# KiCad board zone-controller.kicad_pcb
title: Zone controller; date: 2023-07-15; rev: v2.0; company: Roman Labovsky (roman-labovsky.cz)
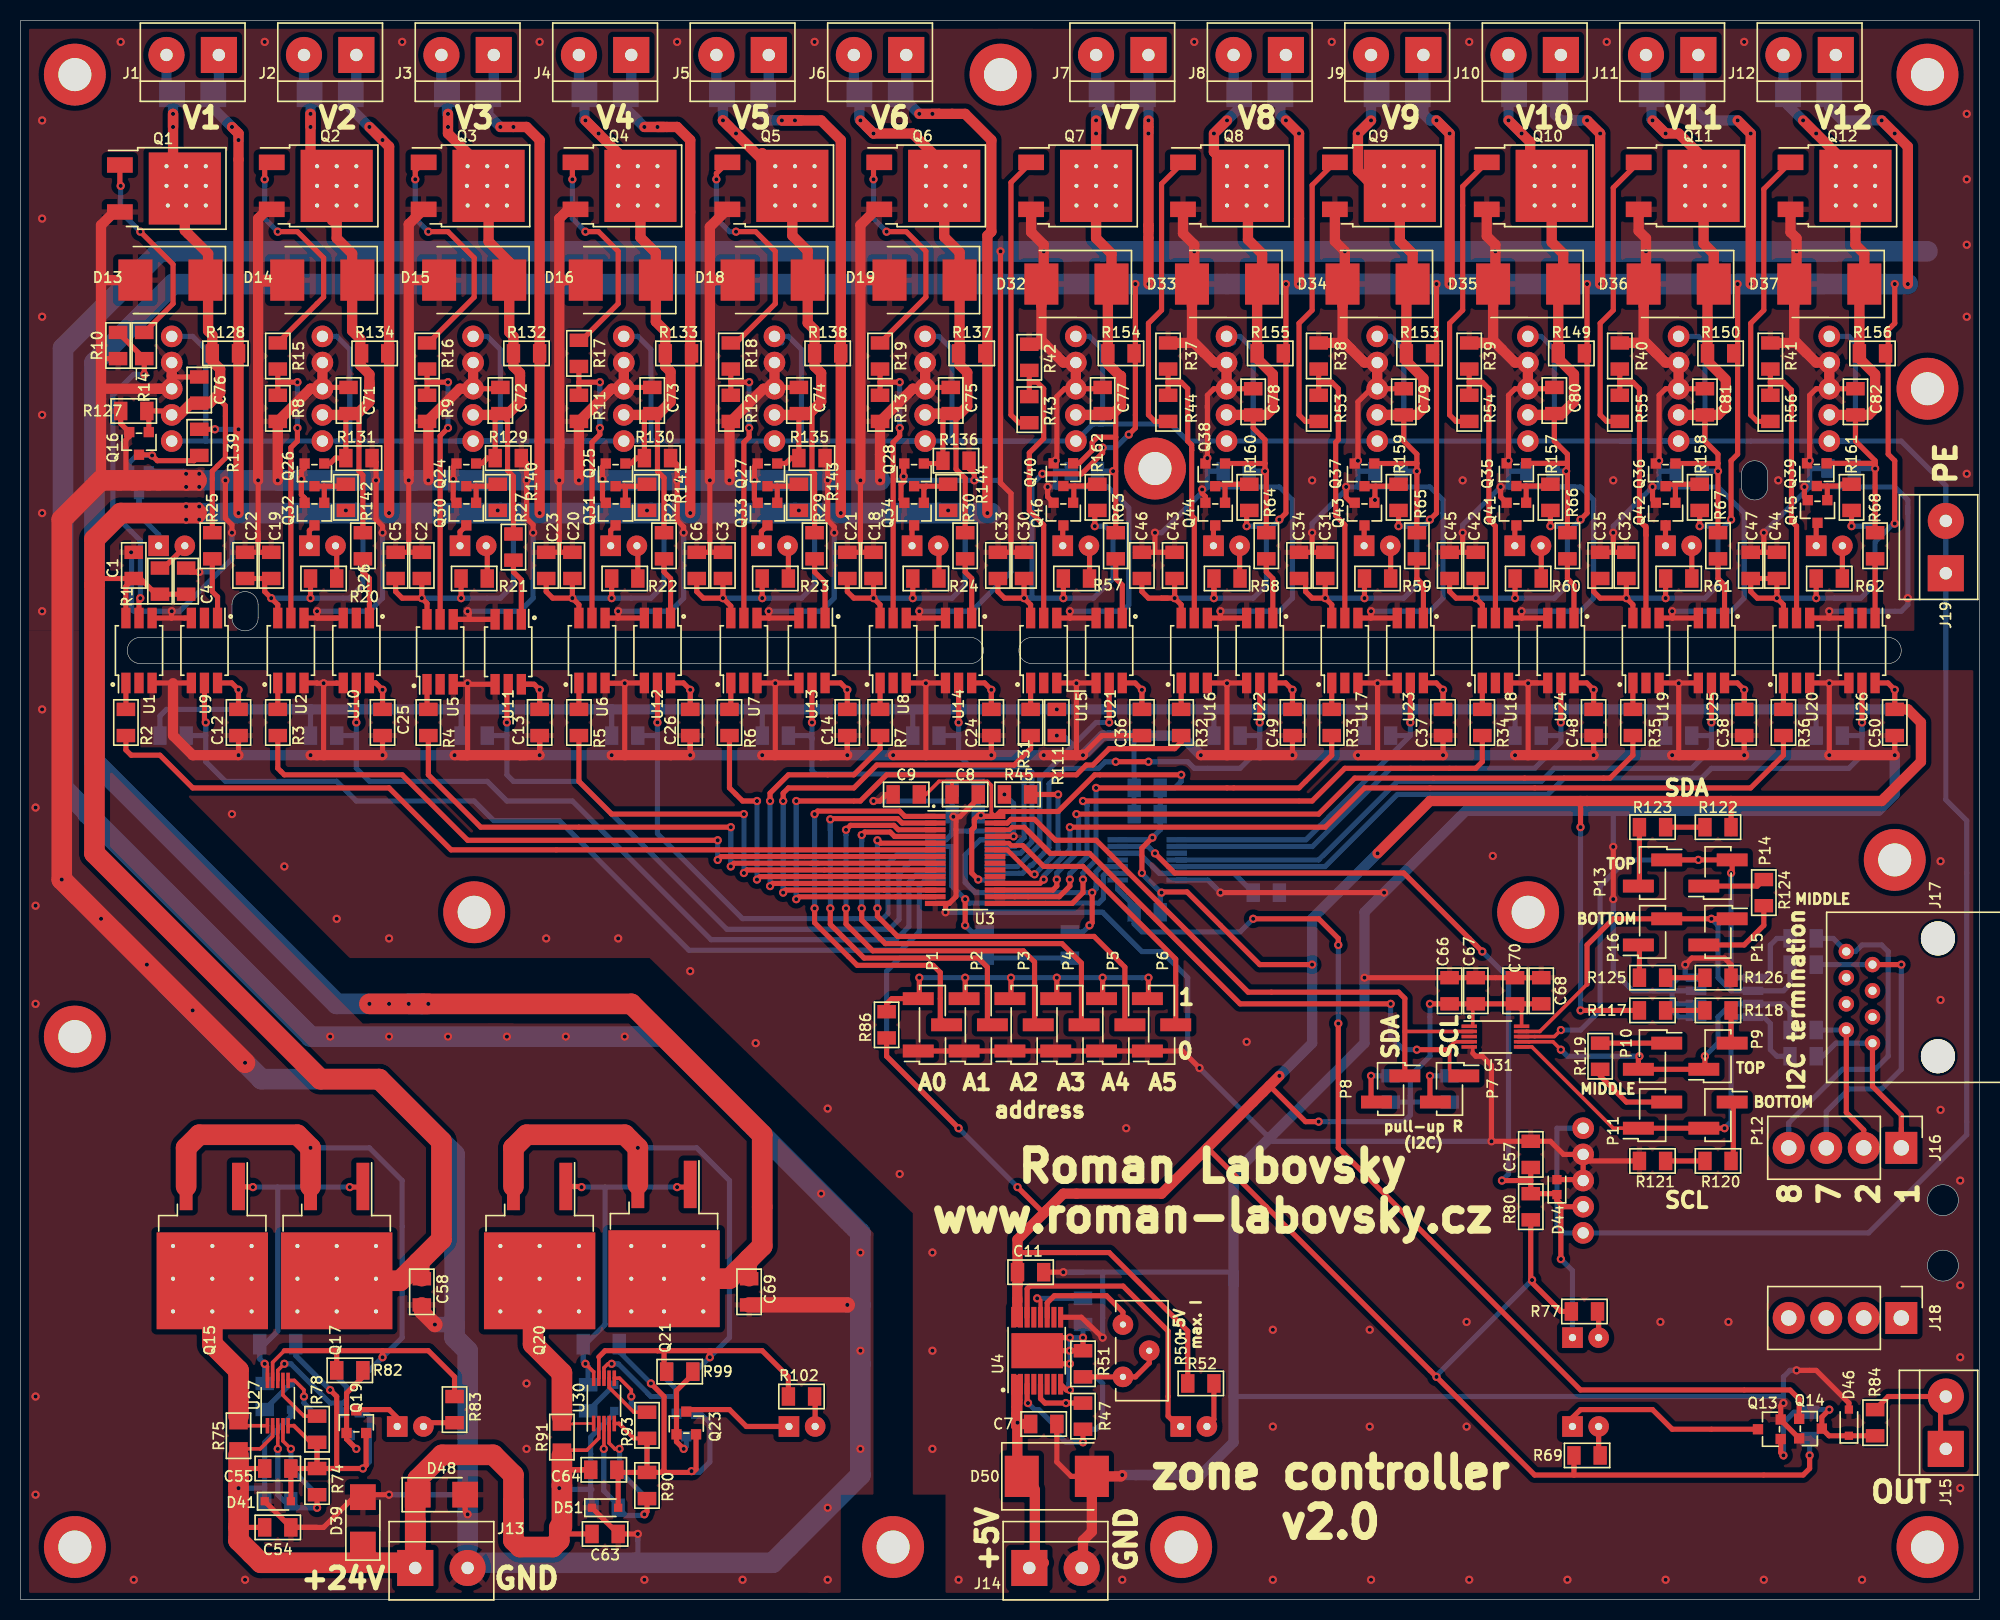
[diagram p0: board, top side]
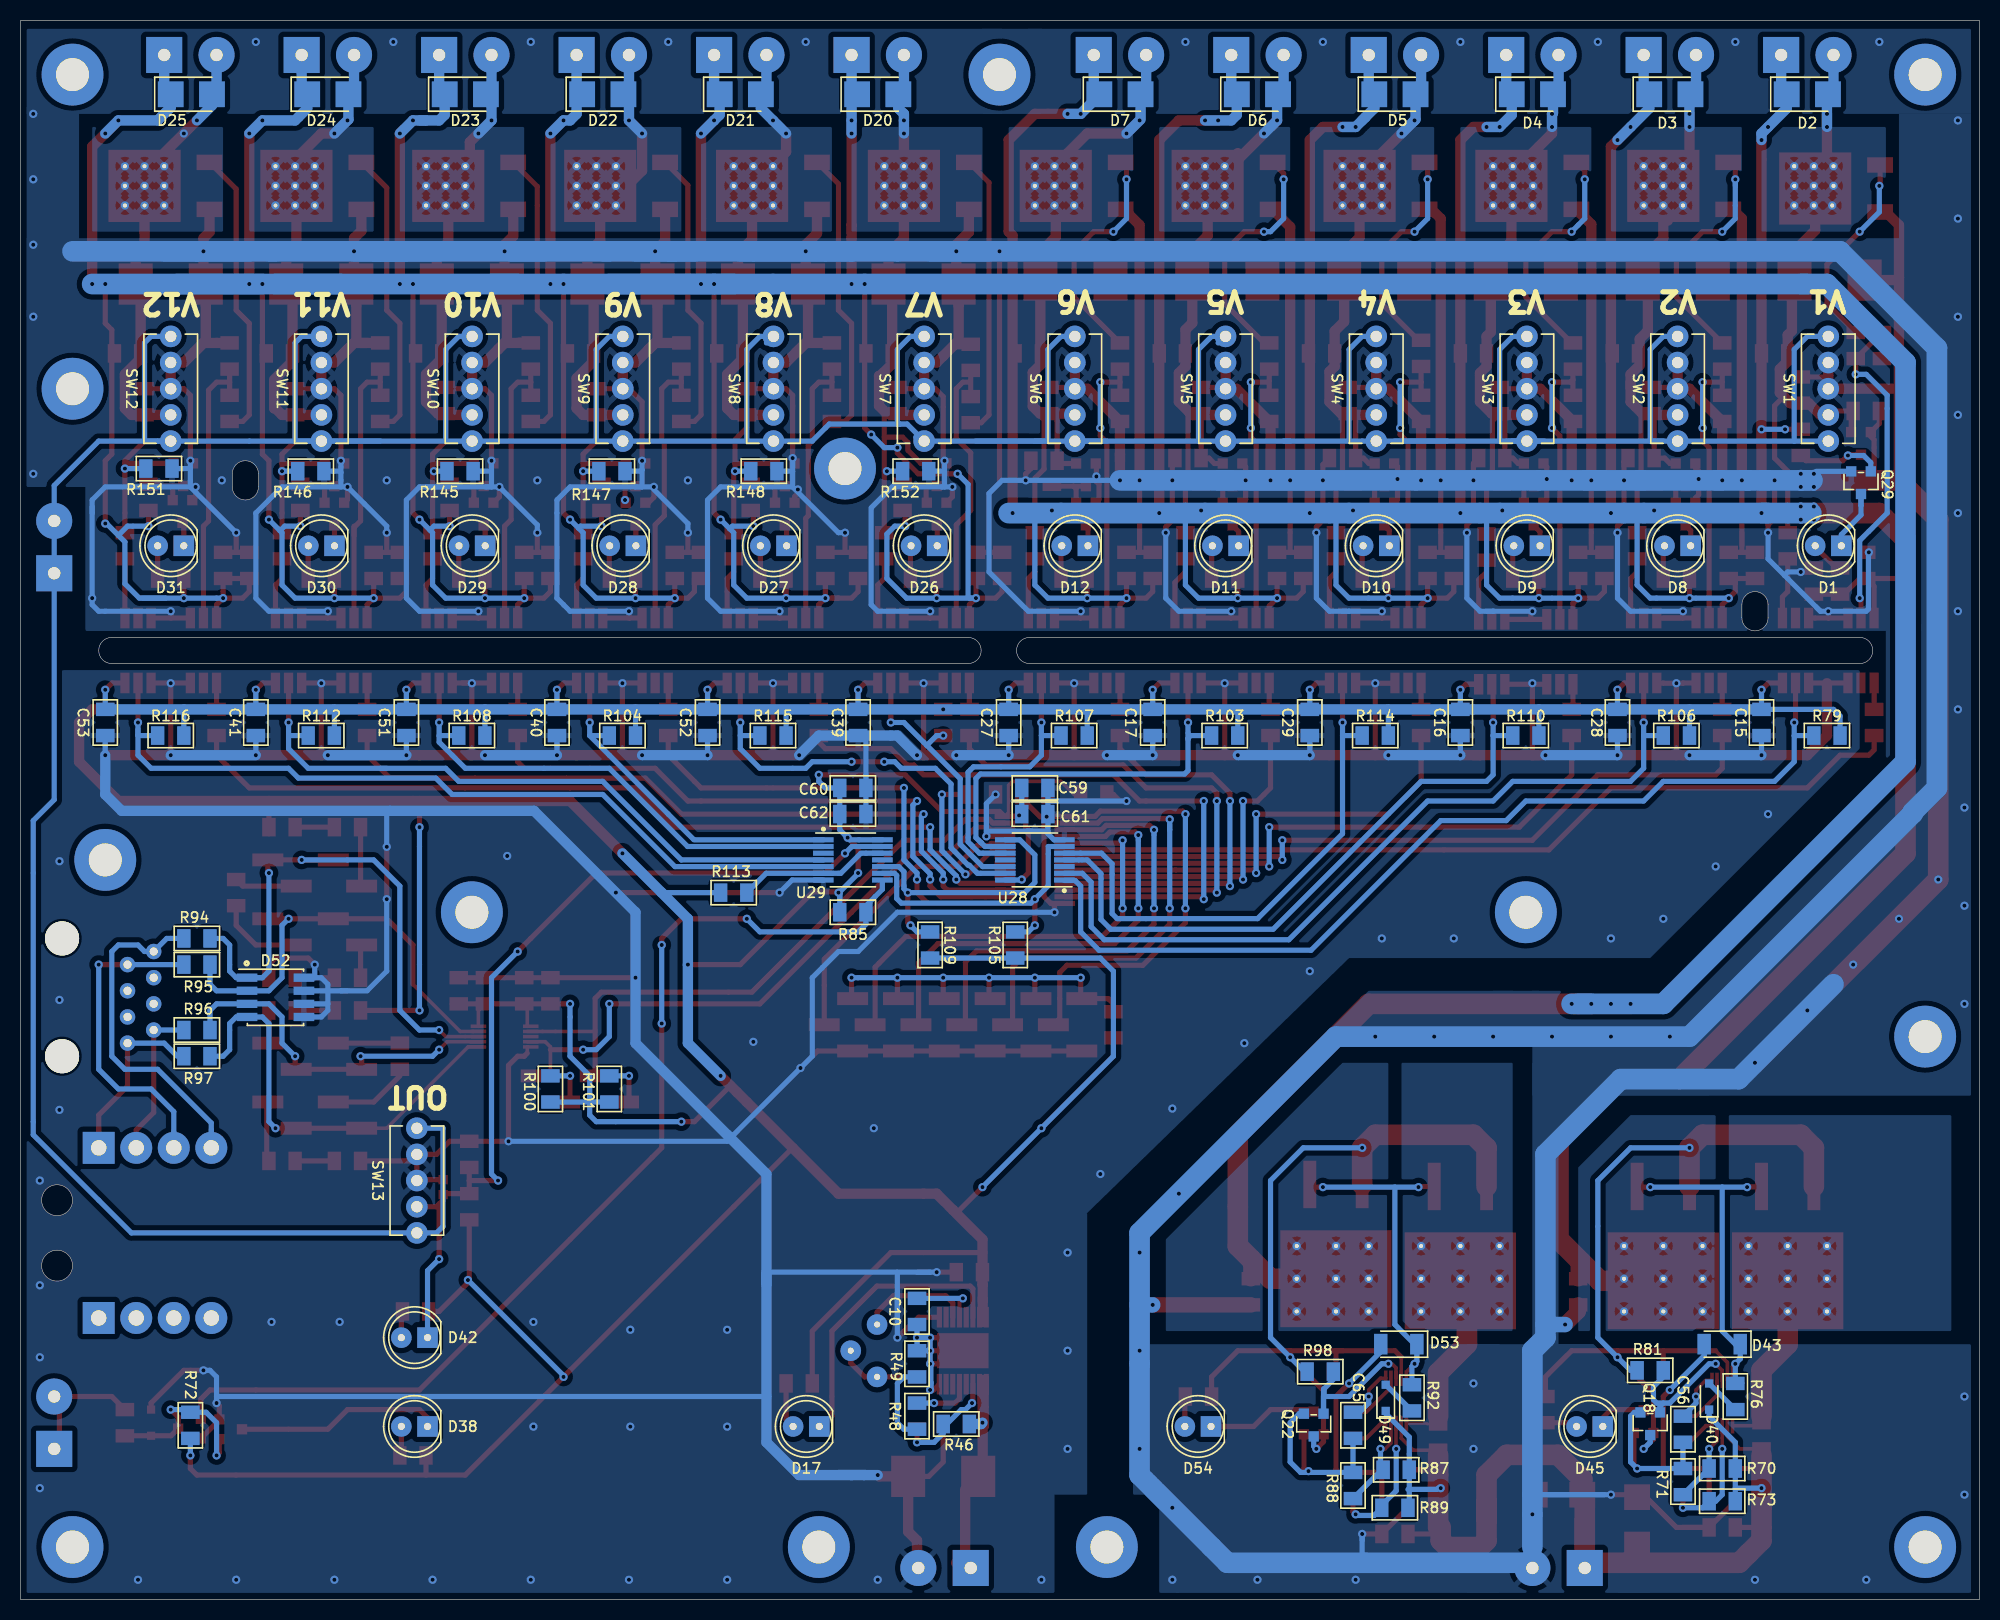
[diagram p1: board, bottom side, seen from below]

Outline 190 x 153.19 mm; copper layers: Top, Bottom. Coordinates in mm from the lower left corner of the outline.
Outline path: circle c186.46,38.73 r1.5 ; circle c186.46,32.38 r1.5 ; 0,153.19 0,0 190,0 190,153.19 0,153.19 ; 11.61,93.34 92.13,93.34 arc(93.4,92.07) 92.13,90.8 11.61,90.8 arc(10.34,92.07) 11.61,93.34 ; 20.5,96.52 20.5,95.25 arc(21.77,93.98) 23.04,95.25 23.04,96.52 arc(21.77,97.79) 20.5,96.52 ; 98.1,90.8 arc(96.83,92.07) 98.1,93.34 181.15,93.34 arc(182.42,92.07) 181.15,90.8 98.1,90.8 ; 166.93,109.22 166.93,107.95 arc(168.2,106.68) 169.47,107.95 169.47,109.22 arc(168.2,110.49) 166.93,109.22
Stack: Top 0.035mm / dielectric 1.51mm FR4 er 4.5 / Bottom 0.035mm

## Placement (name value [footprint] x y rotation side)
C1  100nF  [c_1206]  10.97 100.33 90 top
C2  100nF  [c_1206]  38.92 100.33 90 top
C3  100nF  [c_1206]  68.12 100.33 90 top
C4  1uF  [c_1206]  16.05 98.81 90 top
C5  1uF  [c_1206]  36.37 100.33 90 top
C6  1uF  [c_1206]  65.58 100.33 90 top
C7  1uF  [c_1206]  99.24 17.02 0 top
C8  10uF  [c_1206]  91.62 78.1 0 top
C9  100nF  [c_1206]  85.9 78.1 180 top
C10  1.2nF  [c_1206]  103.05 27.94 270 bottom
C11  1uF  [c_1206]  97.97 31.75 0 top
C12  100nF  [c_1206]  21.14 85.09 270 top
C13  100nF  [c_1206]  50.34 85.09 270 top
C14  100nF  [c_1206]  80.19 85.09 270 top
C15  1uF  [c_1206]  21.14 85.09 270 bottom
C16  1uF  [c_1206]  50.34 85.09 270 bottom
C17  1uF  [c_1206]  80.19 85.09 270 bottom
C18  100nF  [c_1206]  82.73 100.33 90 top
C19  100nF  [c_1206]  24.31 100.33 90 top
C20  100nF  [c_1206]  53.52 100.33 90 top
C21  1uF  [c_1206]  80.19 100.33 90 top
C22  1uF  [c_1206]  21.77 100.33 90 top
C23  1uF  [c_1206]  50.98 100.33 90 top
C24  100nF  [c_1206]  94.16 85.09 270 top
C25  100nF  [c_1206]  35.11 85.09 270 top
C26  100nF  [c_1206]  64.95 85.09 270 top
C27  1uF  [c_1206]  94.16 85.09 270 bottom
C28  1uF  [c_1206]  35.11 85.09 270 bottom
C29  1uF  [c_1206]  64.95 85.09 270 bottom
C30  100nF  [c_1206]  97.33 100.33 90 top
C31  100nF  [c_1206]  126.55 100.33 90 top
C32  100nF  [c_1206]  155.75 100.33 90 top
C33  1uF  [c_1206]  94.8 100.33 90 top
C34  1uF  [c_1206]  124 100.33 90 top
C35  1uF  [c_1206]  153.21 100.33 90 top
C36  100nF  [c_1206]  108.77 85.09 270 top
C37  100nF  [c_1206]  137.97 85.09 270 top
C38  100nF  [c_1206]  167.19 85.09 270 top
C39  1uF  [c_1206]  108.77 85.09 270 bottom
C40  1uF  [c_1206]  137.97 85.09 270 bottom
C41  1uF  [c_1206]  167.19 85.09 270 bottom
C42  100nF  [c_1206]  141.15 100.33 90 top
C43  100nF  [c_1206]  111.94 100.33 90 top
C44  100nF  [c_1206]  170.36 100.33 90 top
C45  1uF  [c_1206]  138.61 100.33 90 top
C46  1uF  [c_1206]  108.77 100.33 90 top
C47  1uF  [c_1206]  167.82 100.33 90 top
C48  100nF  [c_1206]  152.58 85.09 270 top
C49  100nF  [c_1206]  123.37 85.09 270 top
C50  100nF  [c_1206]  181.79 85.09 270 top
C51  1uF  [c_1206]  152.58 85.09 270 bottom
C52  1uF  [c_1206]  123.37 85.09 270 bottom
C53  1uF  [c_1206]  181.79 85.09 270 bottom
C54  10uF  [c_1206]  24.95 6.98 0 top
C55  1000pF  [c_1206]  24.95 12.7 180 top
C56  33nF  [c_1206]  28.75 16.51 270 bottom
C57  100nF  [c_1206]  146.48 43.18 90 top
C58  10uF  [c_1206]  38.92 29.84 270 top
C59  100nF  [c_1206]  91.62 78.74 0 bottom
C60  100nF  [c_1206]  109.27 78.74 0 bottom
C61  1uF  [c_1206]  91.62 76.2 0 bottom
C62  1uF  [c_1206]  109.27 76.2 0 bottom
C63  10uF  [c_1206]  56.7 6.35 0 top
C64  1000pF  [c_1206]  56.57 12.57 180 top
C65  33nF  [c_1206]  60.76 16.89 270 bottom
C66  1uF  [c_1206]  138.61 59.05 90 top
C67  100nF  [c_1206]  141.15 59.05 90 top
C68  100nF  [c_1206]  147.5 59.05 90 top
C69  10uF  [c_1206]  70.67 29.84 270 top
C70  1uF  [c_1206]  144.96 59.05 90 top
C71  100nF  [c_1206]  31.8 116.33 270 top
C72  100nF  [c_1206]  46.53 116.33 270 top
C73  100nF  [c_1206]  61.27 116.33 270 top
C74  100nF  [c_1206]  75.49 116.33 270 top
C75  100nF  [c_1206]  90.22 116.33 270 top
C76  100nF  [c_1206]  17.33 117.35 270 top
C77  100nF  [c_1206]  104.95 116.33 270 top
C78  100nF  [c_1206]  119.56 116.2 270 top
C79  100nF  [c_1206]  134.16 116.2 270 top
C80  100nF  [c_1206]  148.77 116.33 270 top
C81  100nF  [c_1206]  163.38 116.2 270 top
C82  100nF  [c_1206]  177.98 116.2 270 top
D1  LL-504PGC1E-G5-2B  [led_d5mm_2.54mm]  14.66 102.23 0 bottom
D2  STPS160A  [sma]  16.69 146.05 180 bottom
D3  STPS160A  [sma]  30.02 146.05 180 bottom
D4  STPS160A  [sma]  43.36 146.05 180 bottom
D5  STPS160A  [sma]  56.7 146.05 180 bottom
D6  STPS160A  [sma]  70.03 146.05 180 bottom
D7  STPS160A  [sma]  83.36 146.05 180 bottom
D8  LL-504PGC1E-G5-2B  [led_d5mm_2.54mm]  29.27 102.23 0 bottom
D9  LL-504PGC1E-G5-2B  [led_d5mm_2.54mm]  43.89 102.23 0 bottom
D10  LL-504PGC1E-G5-2B  [led_d5mm_2.54mm]  58.51 102.23 0 bottom
D11  LL-504PGC1E-G5-2B  [led_d5mm_2.54mm]  73.12 102.23 0 bottom
D12  LL-504PGC1E-G5-2B  [led_d5mm_2.54mm]  87.74 102.23 0 bottom
D13  SMCJ24A-CD  [smc]  14.53 128.02 180 top
D14  SMCJ24A-CD  [smc]  29.26 128.02 180 top
D15  SMCJ24A-CD  [smc]  43.99 128.02 180 top
D16  SMCJ24A-CD  [smc]  58.22 128.02 180 top
D17  LL-503VC1E-4C  [led_d5mm_2.54mm]  113.8 16.78 0 bottom
D18  SMCJ24A-CD  [smc]  72.95 128.02 180 top
D19  SMCJ24A-CD  [smc]  87.68 128.02 180 top
D20  STPS160A  [sma]  106.86 146.05 180 bottom
D21  STPS160A  [sma]  120.2 146.05 180 bottom
D22  STPS160A  [sma]  133.53 146.05 180 bottom
D23  STPS160A  [sma]  146.86 146.05 180 bottom
D24  STPS160A  [sma]  160.2 146.05 180 bottom
D25  STPS160A  [sma]  173.44 146.05 180 bottom
D26  LL-504PGC1E-G5-2B  [led_d5mm_2.54mm]  102.36 102.23 0 bottom
D27  LL-504PGC1E-G5-2B  [led_d5mm_2.54mm]  116.97 102.23 0 bottom
D28  LL-504PGC1E-G5-2B  [led_d5mm_2.54mm]  131.59 102.23 0 bottom
D29  LL-504PGC1E-G5-2B  [led_d5mm_2.54mm]  146.21 102.23 0 bottom
D30  LL-504PGC1E-G5-2B  [led_d5mm_2.54mm]  160.82 102.23 0 bottom
D31  LL-504PGC1E-G5-2B  [led_d5mm_2.54mm]  175.44 102.23 0 bottom
D32  SMCJ24A-CD  [smc]  102.42 127.63 180 top
D33  SMCJ24A-CD  [smc]  117.02 127.63 180 top
D34  SMCJ24A-CD  [smc]  131.62 127.63 180 top
D35  SMCJ24A-CD  [smc]  146.23 127.63 180 top
D36  SMCJ24A-CD  [smc]  160.83 127.63 180 top
D37  SMCJ24A-CD  [smc]  175.44 127.63 180 top
D38  LL-504PGC1E-G5-2B  [led_d5mm_2.54mm]  151.8 16.78 0 bottom
D39  SMBJ24CA-TR  [smb]  33.2 7.62 90 top
D40  BAV20WS-DC  [sod_323]  26.21 19.69 90 bottom
D41  BAV20WS-DC  [sod_323]  24.95 9.53 0 top
D42  LL-504PGC1E-G5-2B  [led_d5mm_2.54mm]  151.8 25.4 0 bottom
D43  TZMB27-GS08  [minimelf_sod_80]  24.95 24.76 0 bottom
D44  UCLAMP0501H.TCT  [sod_523]  149.02 40 90 top
D45  LL-503VC1E-4C  [led_d5mm_2.54mm]  37.8 16.78 0 bottom
D46  SD05-7  [sod_323]  177.34 17.14 90 top
D48  SMBJ24CA-TR  [smb]  40.82 10.16 0 top
D49  BAV20WS-DC  [sod_323]  57.58 19.56 90 bottom
D50  SMCJ5.0CA-13-F  [smc]  100.51 11.94 0 top
D51  BAV20WS-DC  [sod_323]  56.7 8.89 0 top
D52  SMDA05CDR2G  [soic_8_3.9mmx4.9mm]  165.28 58.42 180 bottom
D53  TZMB27-GS08  [minimelf_sod_80]  56.31 24.76 0 bottom
D54  LL-503VC1E-4C  [led_d5mm_2.54mm]  75.8 16.78 0 bottom
H1  -  [mounting_hole_pad_3.2x6mm]  5.26 147.95 0 top
H2  -  [mounting_hole_pad_3.2x6mm]  95.05 147.95 0 top
H3  -  [mounting_hole_pad_3.2x6mm]  184.96 147.95 0 top
H4  -  [mounting_hole_pad_3.2x6mm]  110.03 109.73 0 top
H5  -  [mounting_hole_pad_3.2x6mm]  184.96 117.47 0 top
H6  -  [mounting_hole_pad_3.2x6mm]  43.99 66.67 0 top
H7  -  [mounting_hole_pad_3.2x6mm]  146.23 66.67 0 top
H8  -  [mounting_hole_pad_3.2x6mm]  181.79 71.75 0 top
H9  -  [mounting_hole_pad_3.2x6mm]  5.26 54.61 0 top
H10  -  [mounting_hole_pad_3.2x6mm]  5.26 5.08 0 top
H11  -  [mounting_hole_pad_3.2x6mm]  84.64 5.08 0 top
H12  -  [mounting_hole_pad_3.2x6mm]  112.58 5.08 0 top
H13  -  [mounting_hole_pad_3.2x6mm]  184.96 5.08 0 top
J1  -  [EBBA-02-C-SS-BU]  16.69 149.86 180 top
J2  -  [EBBA-02-C-SS-BU]  30.02 149.86 180 top
J3  -  [EBBA-02-C-SS-BU]  43.36 149.86 180 top
J4  -  [EBBA-02-C-SS-BU]  56.7 149.86 180 top
J5  -  [EBBA-02-C-SS-BU]  70.03 149.86 180 top
J6  -  [EBBA-02-C-SS-BU]  83.36 149.86 180 top
J7  -  [EBBA-02-C-SS-BU]  106.86 149.86 180 top
J8  -  [EBBA-02-C-SS-BU]  120.2 149.86 180 top
J9  -  [EBBA-02-C-SS-BU]  133.53 149.86 180 top
J10  -  [EBBA-02-C-SS-BU]  146.86 149.86 180 top
J11  -  [EBBA-02-C-SS-BU]  160.2 149.86 180 top
J12  -  [EBBA-02-C-SS-BU]  173.53 149.86 180 top
J13  -  [EBBA-02-C-SS-BU]  40.82 3.05 0 top
J14  -  [EBBA-02-C-SS-BU]  100.38 3.05 0 top
J15  -  [EBBA-02-C-SS-BU]  186.74 17.14 90 top
J16  1x4_idc_lsa  [1x4_idc_lsa_connector_general]  182.42 43.81 270 top
J17  54601-908WPLF  [rj45_54601-908WPLF]  185.98 58.42 90 top
J18  1x4_idc_lsa  [1x4_idc_lsa_connector_general]  182.42 27.3 270 top
J19  -  [EBBA-02-C-SS-BU]  186.74 102.11 90 top
P1  95293-101A03LF  [1x3_pinheader_2.54mm_vertical]  88.45 55.75 90 top
P2  95293-101A03LF  [1x3_pinheader_2.54mm_vertical]  92.89 55.75 90 top
P3  95293-101A03LF  [1x3_pinheader_2.54mm_vertical]  97.33 55.75 90 top
P4  95293-101A03LF  [1x3_pinheader_2.54mm_vertical]  101.78 55.75 90 top
P5  95293-101A03LF  [1x3_pinheader_2.54mm_vertical]  106.22 55.75 90 top
P6  95293-101A03LF  [1x3_pinheader_2.54mm_vertical]  110.67 55.75 90 top
P7  10129380-902001BLF  [1x2_pinheader_2.54mm_vertical]  138.61 49.53 270 top
P8  10129380-902001BLF  [1x2_pinheader_2.54mm_vertical]  132.89 49.53 270 top
P9  10129380-902001BLF  [1x2_pinheader_2.54mm_vertical]  164.64 52.7 90 top
P10  10129380-902001BLF  [1x2_pinheader_2.54mm_vertical]  158.29 52.7 270 top
P11  10129380-902001BLF  [1x2_pinheader_2.54mm_vertical]  158.29 46.99 90 top
P12  10129380-902001BLF  [1x2_pinheader_2.54mm_vertical]  164.64 46.99 270 top
P13  10129380-902001BLF  [1x2_pinheader_2.54mm_vertical]  158.29 70.48 270 top
P14  10129380-902001BLF  [1x2_pinheader_2.54mm_vertical]  164.64 70.48 90 top
P15  10129380-902001BLF  [1x2_pinheader_2.54mm_vertical]  164.64 64.77 270 top
P16  10129380-902001BLF  [1x2_pinheader_2.54mm_vertical]  158.29 64.77 90 top
Q1  AOD458  [to_252_2]  13.83 136.91 0 top
Q2  AOD458  [to_252_2]  28.56 137.16 0 top
Q3  AOD458  [to_252_2]  43.29 137.16 0 top
Q4  AOD458  [to_252_2]  58.02 137.16 0 top
Q5  AOD458  [to_252_2]  72.76 137.16 0 top
Q6  AOD458  [to_252_2]  87.49 137.16 0 top
Q7  AOD458  [to_252_2]  102.22 137.16 0 top
Q8  AOD458  [to_252_2]  116.95 137.16 0 top
Q9  AOD458  [to_252_2]  131.68 137.16 0 top
Q10  AOD458  [to_252_2]  146.42 137.16 0 top
Q11  AOD458  [to_252_2]  161.15 137.16 0 top
Q12  AOD458  [to_252_2]  175.88 137.16 0 top
Q13  PMV213SN,215  [sot_23]  169.72 16.51 180 top
Q14  PMV213SN,215  [sot_23]  173.52 16.57 0 top
Q15  AOB1608L  [to_263_2]  18.59 34.29 270 top
Q16  2N7002A-YAN  [sot_23]  11.48 112.27 270 top
Q17  AOB1608L  [to_263_2]  30.66 34.29 270 top
Q18  PMV213SN,215  [sot_23]  31.93 17.14 270 bottom
Q19  PMV213SN,215  [sot_23]  32.56 17.14 90 top
Q20  AOB1608L  [to_263_2]  50.34 34.29 270 top
Q21  AOB1608L  [to_263_2]  62.41 34.49 270 top
Q22  PMV213SN,215  [sot_23]  64.57 17.02 270 bottom
Q23  PMV213SN,215  [sot_23]  64.57 17.02 90 top
Q24  2N7002A-YAN  [sot_23]  43.23 109.22 270 top
Q25  2N7002A-YAN  [sot_23]  57.71 109.22 270 top
Q26  2N7002A-YAN  [sot_23]  28.5 109.22 270 top
Q27  2N7002A-YAN  [sot_23]  72.44 109.22 270 top
Q28  2N7002A-YAN  [sot_23]  86.67 109.22 270 top
Q29  2N7002A-YAN  [sot_23]  11.48 108.46 270 bottom
Q30  2N7002A-YAN  [sot_23]  43.23 105.41 270 top
Q31  2N7002A-YAN  [sot_23]  57.71 105.41 270 top
Q32  2N7002A-YAN  [sot_23]  28.5 105.41 270 top
Q33  2N7002A-YAN  [sot_23]  72.44 105.41 270 top
Q34  2N7002A-YAN  [sot_23]  86.67 105.41 270 top
Q35  2N7002A-YAN  [sot_23]  145.09 109.24 270 top
Q36  2N7002A-YAN  [sot_23]  159.56 109.22 270 top
Q37  2N7002A-YAN  [sot_23]  130.36 109.22 270 top
Q38  2N7002A-YAN  [sot_23]  115.88 109.22 270 top
Q39  2N7002A-YAN  [sot_23]  174.23 109.24 270 top
Q40  2N7002A-YAN  [sot_23]  101.14 109.24 270 top
Q41  2N7002A-YAN  [sot_23]  145.09 105.41 270 top
Q42  2N7002A-YAN  [sot_23]  159.56 105.41 270 top
Q43  2N7002A-YAN  [sot_23]  130.36 105.41 270 top
Q44  2N7002A-YAN  [sot_23]  115.88 105.41 270 top
Q45  2N7002A-YAN  [sot_23]  174.3 105.66 270 top
Q46  2N7002A-YAN  [sot_23]  101.14 105.41 270 top
R1  4k7  [r_1206]  13.52 98.81 90 top
R2  1k15  [r_1206]  10.21 85.09 270 top
R3  1k15  [r_1206]  24.95 85.09 270 top
R4  1k15  [r_1206]  39.55 85.09 270 top
R5  1k15  [r_1206]  54.15 85.09 270 top
R6  1k15  [r_1206]  68.76 85.09 270 top
R7  1k15  [r_1206]  83.36 85.09 270 top
R8  NC (10k)  [r_1206]  24.95 115.57 270 top
R9  NC (10k)  [r_1206]  39.42 115.57 270 top
R10  NC (10k)  [r_1206]  9.45 121.67 270 top
R11  NC (10k)  [r_1206]  54.15 115.57 270 top
R12  NC (10k)  [r_1206]  68.89 115.57 270 top
R13  NC (10k)  [r_1206]  83.36 115.57 270 top
R14  1k  [r_1206]  11.99 121.67 270 top
R15  1k  [r_1206]  24.95 120.65 270 top
R16  1k  [r_1206]  39.42 120.65 270 top
R17  1k  [r_1206]  54.15 120.9 270 top
R18  1k  [r_1206]  68.89 120.65 270 top
R19  1k  [r_1206]  83.36 120.65 270 top
R20  4k7  [r_1206]  29.39 99.06 0 top
R21  4k7  [r_1206]  43.99 99.06 0 top
R22  4k7  [r_1206]  58.6 99.06 0 top
R23  4k7  [r_1206]  73.2 99.06 0 top
R24  4k7  [r_1206]  87.81 99.06 0 top
R25  4k7  [r_1206]  18.59 102.23 90 top
R26  4k7  [r_1206]  33.2 102.23 90 top
R27  4k7  [r_1206]  47.8 102.11 90 top
R28  4k7  [r_1206]  62.41 102.23 90 top
R29  4k7  [r_1206]  77.02 102.23 90 top
R30  4k7  [r_1206]  91.62 102.23 90 top
R31  1k15  [r_1206]  97.97 85.09 270 top
R32  1k15  [r_1206]  112.58 85.09 270 top
R33  1k15  [r_1206]  127.18 85.09 270 top
R34  1k15  [r_1206]  141.78 85.09 270 top
R35  1k15  [r_1206]  156.39 85.09 270 top
R36  1k15  [r_1206]  171 85.09 270 top
R37  NC (10k)  [r_1206]  111.3 120.65 90 top
R38  NC (10k)  [r_1206]  125.91 120.65 90 top
R39  NC (10k)  [r_1206]  140.51 120.65 90 top
R40  NC (10k)  [r_1206]  155.12 120.65 90 top
R41  NC (10k)  [r_1206]  169.72 120.65 90 top
R42  NC (10k)  [r_1206]  97.84 120.52 90 top
R43  1k  [r_1206]  97.84 115.44 90 top
R44  1k  [r_1206]  111.3 115.57 90 top
R45  10k  [r_1206]  96.7 78.1 180 top
R46  100k  [r_1206]  99.24 17.02 0 bottom
R47  3k16  [r_1206]  103.05 17.78 90 top
R48  30k  [r_1206]  103.05 17.78 270 bottom
R49  200R  [r_1206]  103.05 22.86 90 bottom
R50  200k  [T93YB]  108.77 24.13 270 top
R51  5k36  [r_1206]  103.05 22.86 270 top
R52  604R  [r_1206]  114.48 20.95 0 top
R53  1k  [r_1206]  125.91 115.57 90 top
R54  1k  [r_1206]  140.51 115.57 90 top
R55  1k  [r_1206]  155.12 115.57 90 top
R56  1k  [r_1206]  169.72 115.57 90 top
R57  4k7  [r_1206]  102.42 99.06 0 top
R58  4k7  [r_1206]  117.02 99.06 0 top
R59  4k7  [r_1206]  131.62 99.06 0 top
R60  4k7  [r_1206]  146.23 99.06 0 top
R61  4k7  [r_1206]  160.83 99.06 0 top
R62  4k7  [r_1206]  175.44 99.06 0 top
R63  4k7  [r_1206]  106.22 102.23 90 top
R64  4k7  [r_1206]  120.83 102.23 90 top
R65  4k7  [r_1206]  135.44 102.23 90 top
R66  4k7  [r_1206]  150.04 102.23 90 top
R67  4k7  [r_1206]  164.64 102.23 90 top
R68  4k7  [r_1206]  179.88 102.23 90 top
R69  348R  [r_1206]  151.94 13.97 0 top
R70  24k  [r_1206]  24.95 12.7 0 bottom
R71  2k67  [r_1206]  28.75 11.43 90 bottom
R72  250R  [r_1206]  173.53 16.89 90 bottom
R73  47k5  [r_1206]  24.95 9.53 0 bottom
R74  9k76  [r_1206]  28.75 11.43 90 top
R75  25m  [r_1206]  21.14 15.88 270 top
R76  1M  [r_1206]  23.67 19.69 270 bottom
R77  340R  [r_1206]  151.69 27.94 0 top
R78  14k3  [r_1206]  28.75 16.51 270 top
R79  NC (10k)  [r_1206]  14.78 83.82 0 bottom
R80  10k  [r_1206]  146.48 38.1 90 top
R81  100k  [r_1206]  31.93 22.22 180 bottom
R82  100k  [r_1206]  31.93 22.22 0 top
R83  4k7  [r_1206]  42.09 18.41 270 top
R84  10R/0.5W  [r_1206]  179.88 17.14 270 top
R85  NC (10k)  [r_1206]  109.27 66.67 180 bottom
R86  10k  [r_1206]  84 55.75 90 top
R87  24k  [r_1206]  56.57 12.57 0 bottom
R88  2k67  [r_1206]  60.76 11.05 90 bottom
R89  47k5  [r_1206]  56.7 8.89 0 bottom
R90  9k76  [r_1206]  60.76 11.05 90 top
R91  25m  [r_1206]  52.5 15.75 270 top
R92  1M  [r_1206]  55.04 19.56 270 bottom
R93  14k3  [r_1206]  60.76 16.89 270 top
R94  10R/0.5W  [r_1206]  172.9 64.13 180 bottom
R95  10R/0.5W  [r_1206]  172.9 61.59 180 bottom
R96  10R/0.5W  [r_1206]  172.9 55.25 180 bottom
R97  10R/0.5W  [r_1206]  172.9 52.7 180 bottom
R98  100k  [r_1206]  63.93 22.1 180 bottom
R99  100k  [r_1206]  63.93 22.1 0 top
R100  4k7  [r_1206]  138.61 49.53 90 bottom
R101  4k7  [r_1206]  132.89 49.53 90 bottom
R102  4k7  [r_1206]  75.74 19.69 0 top
R103  NC (10k)  [r_1206]  73.2 83.82 0 bottom
R104  NC (10k)  [r_1206]  131.62 83.82 0 bottom
R105  NC (10k)  [r_1206]  93.52 63.5 90 bottom
R106  NC (10k)  [r_1206]  29.39 83.82 0 bottom
R107  NC (10k)  [r_1206]  87.81 83.82 0 bottom
R108  NC (10k)  [r_1206]  146.23 83.82 0 bottom
R109  NC (10k)  [r_1206]  101.78 63.5 90 bottom
R110  NC (10k)  [r_1206]  43.99 83.82 0 bottom
R111  NC (10k)  [r_1206]  100.51 85.09 270 top
R112  NC (10k)  [r_1206]  160.83 83.82 0 bottom
R113  NC (10k)  [r_1206]  120.83 68.58 180 bottom
R114  NC (10k)  [r_1206]  58.6 83.82 0 bottom
R115  NC (10k)  [r_1206]  117.02 83.82 0 bottom
R116  NC (10k)  [r_1206]  175.44 83.82 0 bottom
R117  210R  [r_1206]  158.29 57.15 0 top
R118  390R  [r_1206]  164.64 57.15 0 top
R119  100R/120R  [r_1206]  153.21 52.7 270 top
R120  390R  [r_1206]  164.64 42.54 180 top
R121  210R  [r_1206]  158.29 42.54 180 top
R122  210R  [r_1206]  164.64 74.93 180 top
R123  390R  [r_1206]  158.29 74.93 180 top
R124  100R/120R  [r_1206]  169.09 68.58 270 top
R125  390R  [r_1206]  158.29 60.32 0 top
R126  210R  [r_1206]  164.64 60.32 0 top
R127  24k  [r_1206]  10.97 115.32 180 top
R128  5k36  [r_1206]  19.86 120.9 180 top
R129  24k  [r_1206]  47.3 110.74 0 top
R130  24k  [r_1206]  61.77 110.74 0 top
R131  24k  [r_1206]  32.82 110.74 0 top
R132  5k36  [r_1206]  49.08 120.9 180 top
R133  5k36  [r_1206]  63.81 120.9 180 top
R134  5k36  [r_1206]  34.34 120.9 180 top
R135  24k  [r_1206]  76.76 110.74 0 top
R136  24k  [r_1206]  90.73 110.49 0 top
R137  5k36  [r_1206]  92.25 120.9 180 top
R138  5k36  [r_1206]  78.28 120.9 180 top
R139  24k  [r_1206]  17.33 112.27 270 top
R140  24k  [r_1206]  46.28 106.93 90 top
R141  24k  [r_1206]  60.76 106.93 90 top
R142  24k  [r_1206]  31.55 106.93 90 top
R143  24k  [r_1206]  75.49 106.93 90 top
R144  24k  [r_1206]  89.97 106.93 90 top
R145  24k  [r_1206]  147.37 109.47 180 bottom
R146  24k  [r_1206]  161.85 109.47 180 bottom
R147  24k  [r_1206]  132.64 109.47 180 bottom
R148  24k  [r_1206]  117.91 109.47 180 bottom
R149  5k36  [r_1206]  150.42 120.9 180 top
R150  5k36  [r_1206]  164.9 120.9 180 top
R151  24k  [r_1206]  176.58 109.73 180 bottom
R152  24k  [r_1206]  103.18 109.47 180 bottom
R153  5k36  [r_1206]  135.69 120.9 180 top
R154  5k36  [r_1206]  106.73 120.9 180 top
R155  5k36  [r_1206]  121.21 120.9 180 top
R156  5k36  [r_1206]  179.63 120.9 180 top
R157  24k  [r_1206]  148.39 106.93 90 top
R158  24k  [r_1206]  162.87 106.93 90 top
R159  24k  [r_1206]  133.66 106.93 90 top
R160  24k  [r_1206]  119.18 106.93 90 top
R161  24k  [r_1206]  177.6 106.93 90 top
R162  24k  [r_1206]  104.45 106.93 90 top
SW1  -  [SMTS-102-2C2T]  14.66 117.47 90 bottom
SW2  -  [SMTS-102-2C2T]  29.27 117.47 90 bottom
SW3  -  [SMTS-102-2C2T]  43.89 117.47 90 bottom
SW4  -  [SMTS-102-2C2T]  58.51 117.47 90 bottom
SW5  -  [SMTS-102-2C2T]  73.12 117.47 90 bottom
SW6  -  [SMTS-102-2C2T]  87.74 117.47 90 bottom
SW7  -  [SMTS-102-2C2T]  102.36 117.47 90 bottom